# KiCad board JumperlessRev1.kicad_pcb (continued)
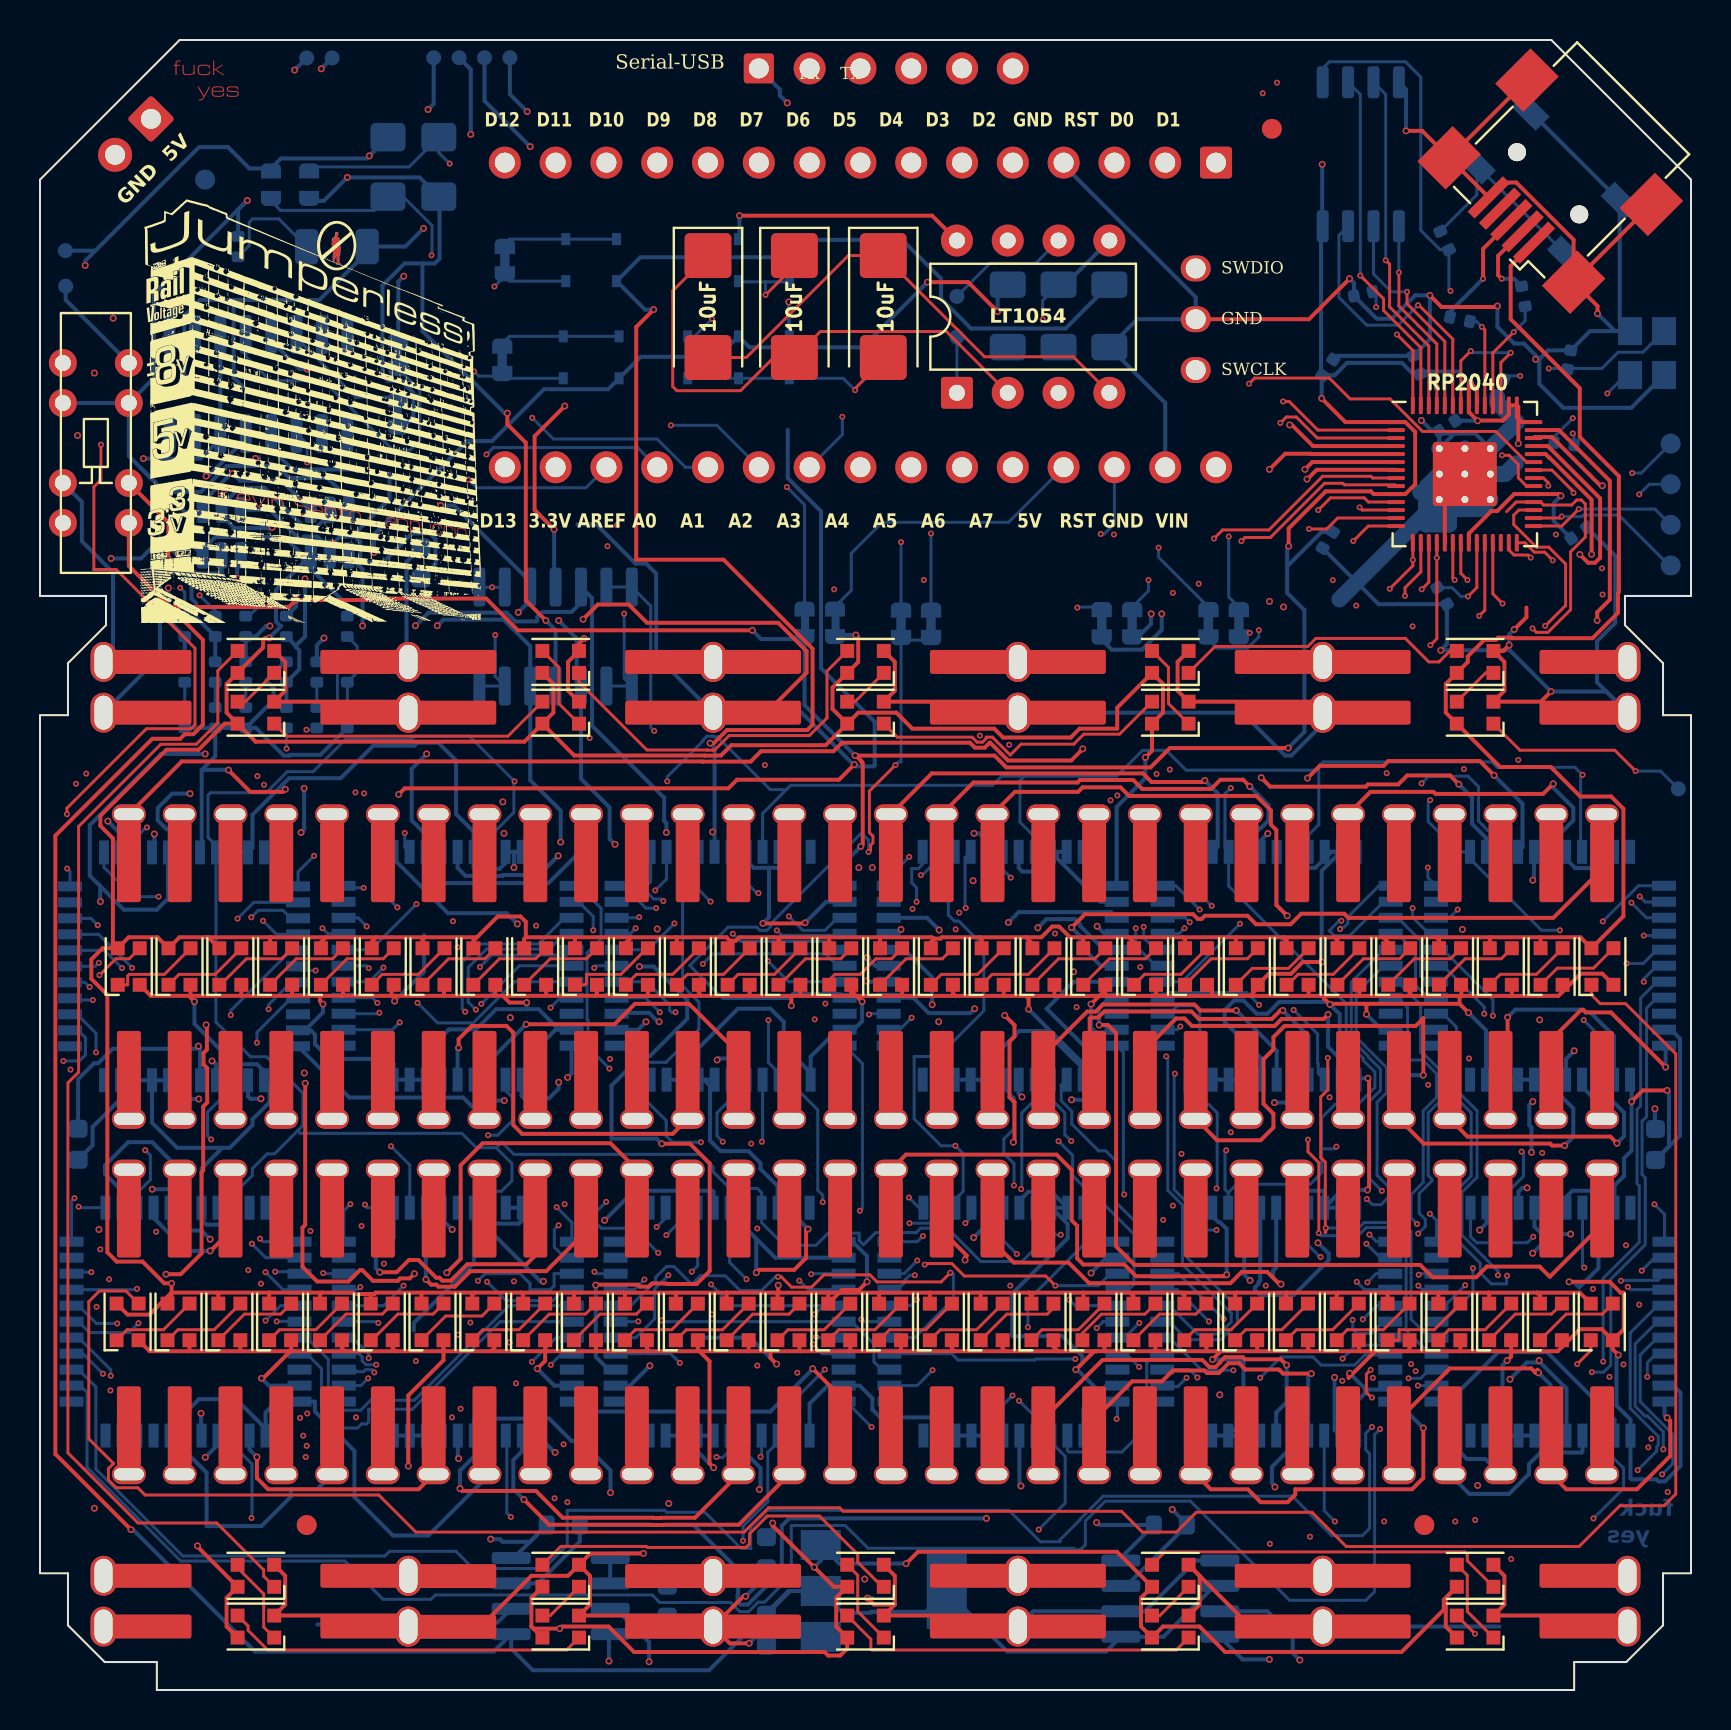
[diagram p0: board, top side]
## Routing (per net, layer and track width the routed paths; a pad name or vN(x,y) marks a point on that pad's centre or on a via; arc(x,y) is an arc through that point) (continued)
/GH1: length 10.5
  In2.Cu w0.15: v1(68.89,15.23) 68.26,15.23 67.69,15.8 67.69,20.96 v1(66.32,22.33)
  Bottom w0.15: 67.02,21.63 v1(66.32,22.33) ; H1.24 v1(68.89,15.23)
/QSPI_SCLK: length 10.9
  Top w0.15: U9.52 70.24,67.46 68.35,69.35 v1(68.35,69.95)
  Bottom w0.15: v1(68.35,69.95) 67.56,69.95 66.67,70.84 U8.6
/QSPI_SD0: length 9.8
  Top w0.15: v1(67.95,70.92) 67.95,69.24 69.84,67.34 v1(69.84,65.15) U9.53
  Bottom w0.15: U8.5 v1(67.95,70.92)
/QSPI_SD1: length 17.7
  Top w0.15: U9.55 69.04,67.15 67.18,69.02 67.18,69.6 v1(66.01,70.76)
  Bottom w0.15: U8.2 66.01,79.83 v1(66.01,70.76)
/QSPI_SD2: length 17.3
  Top w0.15: v1(67.28,71.53) 67.48,71.33 67.48,69.2 69.44,67.24 U9.54
  Bottom w0.15: U8.3 67.28,79.83 v1(67.28,71.53)
/QSPI_SD3: length 14.4
  Top w0.15: 70.64,64.28 70.64,67.59 68.95,69.28 v1(68.9,69.28)
  Bottom w0.15: v1(68.9,69.28) 67.9,68.28 66.34,68.28 64.95,69.67 64.95,72.78 U8.7
/QSPI_SS: length 24.4
  Top w0.15: 68.64,64.27 68.64,66.61 68.66,66.62 68.66,67.01 v1(67.84,67.82)
  In1.Cu w0.15: v1(70.53,70) 70.53,69.94 68.4,67.82 v1(67.84,67.82)
  Bottom w0.15: v1(70.53,70) 70.45,70.08 R5.1 70.01,72.05 69.04,73.02 69.04,80.7 68.27,81.46 64.47,81.46 64.14,81.13
/SWCLK: length 30.8
  Top w0.15: U9.24 72.24,54.02 v1(71.96,53.74)
  In1.Cu w0.15: v1(56.64,54.89) 62.89,54.89 64.2,53.57 71.79,53.57 v1(71.96,53.74)
  In2.Cu w0.15: v1(56.64,54.89) 57.43,55.68 57.43,65.68
/SWD: length 36.2
  Top w0.15: 72.64,57.4 72.64,54.84 v1(73.13,54.36)
  In1.Cu w0.15: v1(57.94,55.35) 62.78,55.35 64.31,53.82 71.09,53.82 71.63,54.36 v1(73.13,54.36)
  In2.Cu w0.15: J1.3 59,69.9 59,65.56 57.68,64.23 57.68,55.61 v1(57.94,55.35)
/USB_D+: length 6.1
  Top w0.2: J5.3 73.57,73.52 72.15,72.1 v1(72.15,70.6)
  Bottom w0.2: R2.1 70.5,68.94 v1(72.15,70.6)
/USB_D-: length 4.1
  Top w0.2: J5.2 72.9,71.75 72.9,70.79 v1(73.09,70.6)
  Bottom w0.2: R3.1 73.7,70.6 v1(73.09,70.6)
/XIN: length 27.1
  Top w0.15: v1(70.73,55.53) 70.64,55.62 70.64,57.4
  In1.Cu w0.15: v1(78.13,54.81) 77.71,54.81 77.45,55.07 71.19,55.07 v1(70.73,55.53) ; v1(78.37,64.86) 77.75,65.48 74.27,65.48 v1(74.01,65.74)
  In2.Cu w0.15: v1(78.37,64.86) 79.19,64.04 79.19,55.87 v1(78.13,54.81)
  Bottom w0.15: 79.29,65.79 v1(78.37,64.86) ; 73.33,65.74 v1(74.01,65.74)
/XOUT: length 19.4
  Top w0.15: U9.21 71.04,55.86 v1(71.37,55.53)
  In1.Cu w0.15: v1(71.37,55.53) 71.48,55.42 77.4,55.42 v1(78.1,56.12)
  In2.Cu w0.15: v1(76.64,63.63) 78.94,61.32 78.94,56.96 v1(78.1,56.12)
  Bottom w0.15: 75.76,62.42 75.76,62.75 v1(76.64,63.63)
/~{USB_BOOT}: length 10.3
  Bottom w0.15: R5.2 71.84,74.81 SW1.2 SW1.2
A0: length 78.5
  In1.Cu w0.15: v1(20.65,38.46) 20.86,38.68 23.97,38.68 23.98,38.67 v1(29.96,38.67) 30.03,38.74 36.9,38.74 37.09,38.93 37.13,38.93 37.35,39.15 43.55,39.15 v1(43.63,39.08)
  In2.Cu w0.15: v1(43.87,21.49) 42.97,22.38 42.97,25.09 43.62,25.73 43.62,32.2 42.88,32.94 42.88,33.69 43.61,34.42 43.61,34.7 44.1,35.19 44.1,37.51 44,37.61 44,38.71 v1(43.63,39.08) ; v1(20.65,38.46) 20.9,38.71 20.9,59.09 21.74,59.93 21.74,61.23 v1(22.32,61.81)
  Bottom w0.15: A1.19 29.88,62.16 22.67,62.16 v1(22.32,61.81) ; I1.31 29.93,38.63 v1(29.96,38.67) ; K1.31 43.21,20.83 v1(43.87,21.49)
A1: length 78.4
  In1.Cu w0.15: v1(23.7,20.45) 24.21,20.95 25.73,20.95 26.25,20.43 27.47,20.43 27.64,20.61 27.93,20.61 28.1,20.43 30.12,20.43 v1(30.22,20.54) 30.52,20.24 32.46,20.24 33.6,21.39 43.1,21.39 v1(43.74,20.75)
  In2.Cu w0.15: v1(23.7,20.45) 23.6,20.55 23.6,28.87 23.91,29.19 23.91,37.24 23.22,37.94 23.22,41.08 23.35,41.21 23.35,41.36 23.42,41.44 23.42,41.78 23.55,41.9 23.55,43.01 23.69,43.15 23.69,44.12 24.61,45.04 v1(24.61,63.65)
  Bottom w0.15: 42.87,20.03 43.25,20.41 43.25,20.52 43.48,20.75 v1(43.74,20.75) ; A1.20 32.27,61.17 30.86,62.59 25.67,62.59 v1(24.61,63.65) ; v1(30.22,20.54) 29.71,20.03 J6.30
A2: length 70.3
  In1.Cu w0.15: v1(31.72,38.35) 35.7,38.35 35.79,38.26 35.79,38.21 36,38 36.05,38 36.62,37.43 45.16,37.43 v1(45.78,38.06)
  In2.Cu w0.15: v1(31.55,63.27) 31.84,62.98 31.84,44.64 31.31,44.12 31.31,43.51 32.06,42.76 32.06,38.69 v1(31.72,38.35) ; v1(45.78,38.06) 45.74,38.01 45.74,35.61 45.86,35.49 45.86,34.27 46,34.14 46,29.03 46.16,28.88 46.16,28.15 46.13,28.12 46.13,26.36 46.16,26.34 46.16,25.73 45.64,25.22 45.64,21.67 43.84,19.86 v1(43.84,19.53)
  Bottom w0.15: v1(43.84,19.53) 43.54,19.23 K1.29 ; I1.29 30.4,37.03 v1(31.72,38.35) ; A1.21 33.84,63.27 v1(31.55,63.27)
A3: length 63.8
  In1.Cu w0.15: v1(29.91,18.44) 30.24,18.11 40.64,18.11 v1(41.07,18.54)
  In2.Cu w0.15: v1(41.07,18.54) 40.44,19.17 40.44,25.09 41.08,25.73 41.08,28.99 40.54,29.53 40.54,42.98 41.08,43.51 41.08,44.12 40.08,45.12 40.08,55.22 40.05,55.26 40.05,63.63 v1(40.12,63.7)
  Bottom w0.15: J6.28 29.9,18.43 v1(29.91,18.44) ; K1.28 41.18,18.43 v1(41.07,18.54) ; v1(40.12,63.7) 40.12,62.81 A1.22
A4: length 43.4
  In1.Cu w0.15: v1(41.45,33.8) 41.36,33.89 37.42,33.89 36.83,34.48 32.69,34.48 32.58,34.38 31.84,34.38 31.78,34.32 v1(31.78,33.91)
  In2.Cu w0.15: A1.23 41.02,60.04 41.47,59.59 41.47,42.91 42.22,42.16 42.22,34.56 v1(41.45,33.8)
  Bottom w0.15: L1.25 41.49,33.83 v1(41.45,33.8) ; v1(31.78,33.91) 31.57,33.91 31.48,34 31.48,34.28 30.33,35.43 I1.27
A5: length 62.9
  In1.Cu w0.15: v1(38.73,33.55) 38.93,33.36 43.31,33.36 v1(43.58,33.64) ; v1(31.99,16.37) 35.22,16.37 35.69,15.9 35.74,15.9 35.76,15.87 v1(37.86,15.87)
  In2.Cu w0.15: v1(37.86,15.87) 39.57,17.58 39.57,25.16 38.98,25.76 38.98,26.31 39.06,26.4 39.06,28.21 38.98,28.3 38.98,28.85 39.06,28.94 39.06,33.23 v1(38.73,33.55) ; v1(43.58,33.64) 43.58,33.97 43.91,34.3 43.91,34.58 44.4,35.07 44.4,37.6 44.26,37.73 44.26,38.31 44.4,38.45 44.4,42.68 43.71,43.37 43.71,61.02
  Bottom w0.15: v1(31.99,16.37) 31.53,16.83 J6.26 ; L1.24 42.98,33.03 v1(43.58,33.64)
A6: length 34
  In1.Cu w0.15: v1(45.96,38.89) 45.8,38.73 38.52,38.73 38.39,38.86 37.6,38.86 v1(37.44,38.7)
  In2.Cu w0.15: v1(45.96,38.89) 45.9,38.95 45.9,43.26 46.16,43.51 46.16,61.11
  Bottom w0.15: v1(37.44,38.7) 38.14,38.01 39.25,38.01 39.88,38.63
A7: length 56.2
  In1.Cu w0.15: v1(37.97,20.48) 40.65,20.48 41.15,19.98 43.58,19.98 43.61,19.95 44.2,19.95 44.25,19.9 47.98,19.9 48.05,19.98 48.26,19.98 v1(48.51,20.23)
  In2.Cu w0.15: v1(48.51,20.23) 48.11,20.64 48.11,25.14 48.7,25.73 48.7,26.34 48.11,26.93 48.11,27.68 48.7,28.27 48.7,34.74 48.78,34.82 48.78,40.36 48.91,40.49 48.91,40.8 48.7,41.01 48.7,44.12 48.28,44.54 47.99,44.54 47.84,44.68 47.84,60.37 A1.26
  Bottom w0.15: v1(37.97,20.48) 38.42,20.03 J6.4
ADC_BUFFERED_5V_0: length 83
  Top w0.2: U9.38 75.28,61.83 75.48,61.63 75.5,61.63 77.58,59.55 v2(77.58,56.82)
  In1.Cu w0.2: v2(6.42,55.13) 7.36,56.07 14.13,56.07 14.27,55.93 66.23,55.93 66.61,55.56 70.06,55.56 70.43,55.93 73.78,55.93 73.94,55.77 76.52,55.77 v2(77.58,56.82)
  Bottom w0.2: v2(6.42,55.13) 6.42,53.53 R6.2 R7.1
ADC_BUFFERED_5V_1: length 86
  Top w0.2: v2(76.99,56.81) 77.4,56.4 77.76,56.4 78,56.65 78,59.62 75.39,62.23 U9.39
  In1.Cu w0.2: v2(6.42,55.91) 6.93,56.42 66.24,56.42 66.75,55.91 69.85,55.91 70.23,56.29 73.91,56.29 74.08,56.12 76.3,56.12 v2(76.99,56.81)
  Bottom w0.2: R9.1 R8.2 7.81,53.66 7.81,54.37 7.58,54.6 7.58,55.47 7.14,55.91 v2(6.42,55.91)
ADC_BUFFERED_5V_2: length 84.6
  Top w0.2: U9.40 74.73,62.68 75.59,62.68 78.03,60.25 v2(78.12,60.25)
  In1.Cu w0.2: v2(78.12,60.25) 77.12,61.25 74.16,61.25 72.74,62.66 69.7,62.66 69.27,62.23 11.39,62.23 v2(10.78,61.61)
  In2.Cu w0.2: v2(10.78,61.61) 10.78,53.95 v2(11.5,53.23)
  Bottom w0.2: R11.1 R10.2 10.78,52.71 11.31,53.23 v2(11.5,53.23)
ADC_BUFFERED_+-8V_3: length 86.1
  Top w0.2: U9.41 75.95,63.03 78.49,60.49 78.49,54.55 77.86,53.92 v2(77.86,53.51)
  In1.Cu w0.2: v2(13.25,55.59) 14.12,55.59 14.13,55.58 39.92,55.58 40.51,54.99 52.2,54.99 54.7,52.49 60.96,52.49 61.12,52.65 73.59,52.65 73.62,52.61 76.96,52.61 v2(77.86,53.51)
  Bottom w0.2: R17.2 R19.1 12.96,51.06 12.96,52.02 12.78,52.2 12.78,52.24 ; v2(13.25,55.59) 13.25,52.71 12.78,52.24 ; 12.78,52.24 R14.2
ADC_UNBUFFERED_5V_0: length 82.3
  In1.Cu w0.2: v2(23.14,44.43) 23.4,44.17 23.4,43.06 v2(23.2,42.86) ; v2(44.61,34.29) 44.61,33.96 43.69,33.04 36.33,33.04 36.01,33.36 35.94,33.36 35.13,34.16 32.83,34.16 31.68,33.01 31.68,33.01 31.64,32.98 30.8,32.98 30.34,33.43 v2(30.3,33.43) 30,33.73 23.61,33.73 v2(23.51,33.64)
  In2.Cu w0.2: v2(23.51,33.64) 23.51,36.72 22.16,38.08 22.16,38.81 22.29,38.94 22.29,39.01 22.31,39.04 22.31,39.14 22.87,39.7 22.87,42.53 v2(23.2,42.86) ; v2(23.14,44.43) 23.32,44.61 23.32,45.25 23.38,45.3 23.38,53.38 v2(23.91,53.91) ; v2(24.36,78.97) 22.19,76.8 22.19,70.18 22.46,69.91 22.46,62.51 20.64,60.69 20.64,60.44 20.03,59.84 v2(20.03,59.26)
  Bottom w0.2: L1.29 43.23,37.03 44.61,35.66 v2(44.61,34.29) ; v2(24.36,78.97) 23.5,79.83 TP9.1 ; 24.51,54.51 v2(23.91,53.91) ; I1.24 29.9,33.03 v2(30.3,33.43) ; v2(20.03,59.26) 20.7,59.26 24.51,55.45
ADC_UNBUFFERED_5V_1: length 91.9
  In1.Cu w0.2: v2(41.62,41.15) 41.62,41.15 41.62,41.36 41.48,41.5 41.19,41.5 40.91,41.78 29.28,41.78 v2(28.75,42.31)
  In2.Cu w0.2: v2(24.51,77.22) 24.51,70.92 26.83,68.6 26.83,54.41 v2(25.93,53.51) ; v2(28.75,42.31) 29.24,41.83 29.24,36.63 29.2,36.59 29.2,29.32 29.18,29.32 28.75,28.89 28.75,28.26 29.24,27.77 29.24,27.18 28.75,26.69 28.75,17.97 v2(30.49,16.22) ; v2(41.62,41.15) 41.4,40.93 41.4,36.69 v2(41.36,36.65)
  Bottom w0.2: v2(25.93,53.51) 26.83,52.61 26.83,50.45 U7.10 27.05,45.59 28.48,44.16 28.48,42.58 v2(28.75,42.31) ; v2(30.49,16.22) 29.5,15.23 J6.24 ; v2(41.36,36.65) 41.77,36.23 L1.28 ; v2(24.51,77.22) 22.23,79.5 TP10.1
ADC_UNBUFFERED_5V_2: length 97.3
  In1.Cu w0.2: v2(40.94,41.15) 40.89,41.09 27.36,41.09 v2(26.04,42.42) ; v2(41.32,35.47) 51.22,35.47 v2(51.68,35.94)
  In2.Cu w0.2: v2(52.55,20.86) 52.55,24.18 51.6,25.13 51.6,26.43 50.98,27.06 50.76,27.06 50.53,27.29 50.53,27.62 50.76,27.86 50.87,27.86 51.27,28.25 51.27,28.89 50.88,29.27 50.88,31.24 51.36,31.72 51.36,35.61 v2(51.68,35.94) ; v2(40.94,41.15) 40.95,41.14 40.95,35.85 v2(41.32,35.47) ; v2(21.54,77.83) 21.54,66.7 22.11,66.13 22.11,65.8 22.07,65.77 22.07,62.74 20.29,60.95 20.29,60.59 19.61,59.91 19.61,53.5 v2(19.86,53.25)
  Bottom w0.2: L1.27 41.36,35.43 v2(41.32,35.47) ; v2(21.54,77.83) 21.54,81.08 TP11.1 ; v2(19.86,53.25) 20.17,53.55 23.18,53.55 23.59,53.14 23.59,53.14 24.51,52.22 U7.12 24.51,45.52 26.04,43.99 v2(26.04,42.42) ; v2(52.55,20.86) 53.32,21.63 K1.2
ADC_UNBUFFERED_+-8V_3: length 80.7
  In1.Cu w0.2: v2(46.65,40.49) 44.52,42.63 41.83,42.63 40.72,42.63 40.6,42.5 31.72,42.5 v2(31.32,42.9)
  In2.Cu w0.2: v2(46.73,34.08) 46.73,34.19 46.19,34.73 46.19,35.62 46.06,35.75 46.06,37.71 46.19,37.84 46.19,38.5 46.7,39 46.7,40.45 v2(46.65,40.49) ; v2(18.77,53.25) 18.77,60.57 19.53,61.32 19.53,61.37 19.98,61.82 19.98,78.5 v2(19.41,79.07)
  Bottom w0.2: v2(19.41,79.07) 19.69,79.35 TP12.1 ; v2(31.32,42.9) 31.32,43.36 31.21,43.47 31.21,44.63 27.6,48.24 27.6,54.63 U7.5 ; v2(46.73,34.08) 46.51,33.87 44.43,33.87 43.67,34.63 L1.26 ; v2(18.77,53.25) 19.43,53.9 23.33,53.9 23.49,53.74 23.49,53.74 23.77,53.46 24.82,53.46 24.87,53.51 24.87,53.69 25.11,53.93 26.58,53.93 27.05,54.41
AI: length 32.3
  In1.Cu w0.15: v1(30.81,39.12) 20.65,39.12 20.24,38.71 20.17,38.71 19.94,38.49 17.93,38.49 17.4,39.02 3.65,39.02 v1(2.89,38.26)
  Bottom w0.15: A2.31 2.54,38.61 v1(2.89,38.26) ; v1(30.81,39.12) 30.3,39.12 29.18,40.23
AJ: length 49.8
  In1.Cu w0.15: v1(3.02,22.05) 3.49,21.57 8.67,21.57 8.91,21.8 8.91,21.82 8.96,21.87 v1(30.91,21.87)
  In2.Cu w0.15: v1(4.61,36.13) 4.14,35.66 4.14,31.44 3.12,30.42 3.12,25.56 3.91,24.76 3.91,22.94 v1(3.02,22.05)
  Bottom w0.15: v1(30.91,21.87) 30.35,22.43 J6.33 ; v1(4.61,36.13) 2.93,37.81 A2.30
AK: length 47
  In1.Cu w0.15: v1(44.15,22.71) 44.07,22.63 31.83,22.63 31.43,22.22 14.26,22.22 v1(13.52,22.97)
  In2.Cu w0.15: v1(13.78,36) 13.78,29.86 13.52,29.6 v1(13.52,22.97)
  Bottom w0.15: v1(13.78,36) 13.11,36 A2.6 ; v1(44.15,22.71) 43.87,22.43 K1.33
AL: length 45.5
  In1.Cu w0.15: v1(43.46,41.68) 42.52,40.75 36.89,40.75 36.81,40.66 16.28,40.66 16.26,40.64 1.82,40.64 v1(1.36,41.1)
  Bottom w0.15: L1.33 42.43,40.66 v1(43.46,41.68) ; A2.33 1.5,40.95 v1(1.36,41.1)
AREF: length 75.9
  In1.Cu w0.15: v1(18.8,16.46) 19.13,16.8 23.38,16.8 24.18,17.59 38.35,17.59 v1(38.64,17.3)
  In2.Cu w0.15: v1(18.8,16.46) 18.61,16.65 18.61,20.28 18.55,20.34 18.55,20.35 18.33,20.57 18.32,20.57 18.21,20.68 18.21,25.34 18.61,25.73 18.61,28.88 19.23,29.49 19.23,42.9 18.61,43.51 18.61,44.12 20.65,46.16 20.65,59.79 v1(21.41,60.56)
  Bottom w0.15: J6.8 39.11,16.83 v1(38.64,17.3) ; A1.18 27.29,60.15 21.82,60.15 v1(21.41,60.56)
BI: length 19
  In1.Cu w0.15: v1(30.76,40) 19.51,40 v1(18.82,39.32)
  Bottom w0.15: I1.35 31.33,40.57 v1(30.76,40) ; v1(18.82,39.32) 16.54,37.03 B1.29
BJ: length 30.9
  In1.Cu w0.15: v1(30.84,23.16) 30.31,22.64 16.66,22.64 v1(16.08,23.22)
  In2.Cu w0.15: v1(16.08,23.22) 16.94,24.08 16.94,24.86 16.07,25.73 16.07,35.74 v1(16.44,36.11)
  Bottom w0.15: 31.28,23.61 v1(30.84,23.16) ; v1(16.44,36.11) 16.32,36.23 B1.28
BK: length 31.1
  In1.Cu w0.15: v1(43.47,23.36) 40.88,23.36 40.34,23.9 26.64,23.9 v1(26.23,24.31)
  In2.Cu w0.15: v1(25.53,34.14) 26.82,32.84 26.82,29.47 26.23,28.88 v1(26.23,24.31)
  Bottom w0.15: v1(25.53,34.14) 26.02,34.63 B1.8 ; 44.97,23.61 44.72,23.36 v1(43.47,23.36)
BL: length 30.3
  In1.Cu w0.15: v1(16.18,40.13) 16.41,40.36 36.93,40.36 37.02,40.45 43.72,40.45 v1(44.04,40.77)
  Bottom w0.15: v1(44.04,40.77) 44.12,40.77 44.93,41.58 ; v1(16.18,40.13) 15.28,40.13
BOTTOM_RAIL: length 137.5
  Top w0.2: v2(8.31,33.27) 8.34,33.24 8.34,32.04 8.18,31.87 8.18,31.29 8.36,31.11 8.36,29.39 8.16,29.19 8.16,25.99 8.08,25.91 8.08,21.84 7.04,20.8 v2(6.3,20.8) ; v2(6.42,56.57) 6.42,58.41 SW2.7
  In1.Cu w0.2: 18.43,5.7 J4.63 34.21,5.15 35.22,5.15 35.22,5.15 41.65,5.15 42.21,5.71 J4.63 ; J4.63 J4.63 ; J4.63 79,6.09 64.51,6.09 J4.63 ; 63.66,6.19 49.37,6.19
  In2.Cu w0.2: v2(6.42,56.57) 5.56,55.7 5.56,48.92 8.31,46.17 v2(8.31,33.27) ; J4.63 3.18,8.06 5.64,10.52 5.64,20.14 v2(6.3,20.8)
  Bottom w0.2: C22.2 33.17,5.22
CI: length 35
  In1.Cu w0.15: v1(60,38.34) 58.62,39.72 58.52,39.72 58.47,39.77 49.95,39.77 49.93,39.8 37.11,39.8 36.76,39.45 v1(33.53,39.45)
  Bottom w0.15: I1.37 32.93,40.05 v1(33.53,39.45) ; C26.27 57.1,35.44 v1(60,38.34)
CJ: length 53.2
  In1.Cu w0.15: v1(61.29,20.23) 60.78,19.72 52.13,19.72 51.03,20.82 49.64,20.82 49.55,20.91 48.14,20.91 47.73,20.5 44.5,20.5 43.87,21.13 43.71,21.13 43.21,21.64 33.29,21.64 v1(32.59,20.93)
  In2.Cu w0.15: v1(61.29,20.23) 61.28,20.24 61.28,25.61 61.42,25.75 61.42,29.03 60.91,29.54 60.91,34.23 v1(60.95,34.28)
  Bottom w0.15: v1(60.95,34.28) 60.34,34.89 56.39,34.89 C26.26 ; J6.37 32.88,21.22 v1(32.59,20.93)
CK: length 21.6
  In1.Cu w0.15: v1(56.16,23.52) 56.01,23.67 46.58,23.67 v1(46.27,23.36)
  In2.Cu w0.15: v1(57.02,33.2) 57.13,33.09 57.13,29.29 56.71,28.88 56.71,25.77 56.16,25.22 v1(56.16,23.52)
  Bottom w0.15: 46.57,23.66 v1(46.27,23.36) ; v1(57.02,33.2) 56.86,33.04 C26.24
CL: length 17.1
  In1.Cu w0.15: v1(46.28,39.13) 46.4,39.24 49.71,39.24 49.9,39.05 v1(57.98,39.05)
  Bottom w0.15: L1.37 46.25,41.65 46.25,39.16 v1(46.28,39.13) ; C26.33 56.79,40.24 v1(57.98,39.05)
CLK: length 237.6
  Top w0.15: v1(69.52,52.27) 69.84,52.6 U9.18
  In1.Cu w0.15: 43.38,24.36 42.27,24.36 41.81,24.81 28.63,24.81 ; 43.38,24.36 43.52,24.5 47.99,24.5 48.07,24.42 54.42,24.42 54.64,24.64 56.92,24.64 57.15,24.41 58.22,24.41 58.95,23.67 58.95,23.14 ; 43.38,24.36 43.44,24.42 v1(43.44,24.64) ; v1(5.93,39.69) 17.33,39.69 v1(17.87,39.15) 18.06,38.96 20.14,38.96 20.65,39.47 v1(31.17,39.47) 32.97,39.47 33.4,39.04 36.77,39.04 37.28,39.55 43.71,39.55 43.77,39.49 49.81,39.49 49.83,39.47 58.34,39.47 v1(58.59,39.23) 60.3,37.52 75.5,37.52 v1(75.99,38.01) ; 28.63,24.81 28.63,24.74 v1(28.31,24.42) ; 28.63,24.81 16.71,24.81 15.87,23.97 15.81,23.97 15.77,23.93 13.74,23.93 13.57,24.1 5.4,24.1 5.33,24.03 ; 5.33,24.03 2.08,24.03 v1(1.93,24.18) ; 5.33,24.03 5.81,23.56 v1(5.81,22.93) ; 58.95,23.14 v1(58.83,23.01) ; 58.95,23.14 59.63,23.82 59.8,23.82 59.85,23.87 65.05,23.87 65.5,23.41 67.04,23.41 67.98,22.47 74.27,22.47 74.47,22.68 v1(74.66,22.68)
  In2.Cu w0.15: v1(69.51,44.52) 70.15,45.17 70.15,45.59 69.52,46.23 v1(69.52,52.27) ; v1(5.81,22.93) 6.06,23.18 6.06,25.22 5.84,25.44 5.84,39.6 v1(5.93,39.69) ; v1(75.99,38.01) 75.99,29.52 76.64,28.88 76.64,25.22 76.64,25.22 76.64,24.65 v1(74.66,22.68)
  Bottom w0.15: v1(43.44,24.64) 43.95,24.13 K1.34 ; E1.34 1.98,24.13 v1(1.93,24.18) ; v1(5.93,39.69) 4.67,39.69 3.2,41.16 A2.34 ; v1(69.51,44.52) 69.41,44.42 69.41,43.44 70.92,41.94 D70.34 71.5,41.59 75.08,38.01 v1(75.99,38.01) ; C26.34 57.83,39.98 v1(58.59,39.23) ; B1.34 16.88,40.14 v1(17.87,39.15) ; G1.34 57.81,23.38 58.18,23.01 v1(58.83,23.01) ; I1.34 30.53,40.44 30.18,40.08 30.68,39.57 31.06,39.57 v1(31.17,39.47) ; v1(16.25,24.28) 16.25,24.24 16.36,24.13 F5.34 ; 30.48,23.78 29.8,23.1 28.06,23.1 27.83,23.34 27.83,23.95 v1(28.31,24.42) ; L1.34 44.13,41.31 43.91,41.09 43.91,41.09 43.9,41.1 43.59,41.1 43.59,40.39 43.83,40.14 v1(43.83,39.43) ; H1.34 71.52,22.68 71.83,22.38 74.36,22.38 v1(74.66,22.68)
  vias: v1(69.84,56.64)
CS_A: length 95.5
  Top w0.15: v1(58.7,57.61) 59.13,58.04 61.45,58.04 64.13,60.72 66.55,60.72 66.64,60.63 U9.8
  In1.Cu w0.15: v1(8.56,27.54) 9.33,26.78 17.63,26.78 17.64,26.76 17.8,26.76 18.01,26.55 18.82,26.55 19.03,26.76 20.34,26.76 20.55,26.55 21.36,26.55 21.57,26.76 22.88,26.76 23.09,26.55 23.9,26.55 24.11,26.76 25.42,26.76 25.63,26.55 26.44,26.55 26.65,26.76 27.96,26.76 28.17,26.55 28.98,26.55 29.19,26.76 30.5,26.76 30.71,26.55 31.52,26.55 31.73,26.76 48.38,26.76 48.39,26.75 49.51,26.75 49.51,26.76 50.82,26.76 50.82,26.75 51.77,26.75 51.84,26.82 v1(57.07,26.82)
  In2.Cu w0.15: v1(58.7,57.61) 58.94,57.37 58.94,28.24 57.51,26.82 v1(57.07,26.82)
  Bottom w0.15: v1(8.56,27.54) 8.38,27.73 8.38,28.91 9.6,30.13
CS_B: length 80
  Top w0.15: U9.9 67.74,60.29 65.22,60.29 65.14,60.37 64.23,60.37 61.52,57.66 60.25,57.66 v1(60.07,57.48)
  In1.Cu w0.15: v1(59.54,27.9) 59.46,27.83 22.48,27.83 v1(22.4,27.76)
  In2.Cu w0.15: v1(59.54,27.9) 59.18,28.26 59.18,56.59 v1(60.07,57.48)
  Bottom w0.15: v1(22.4,27.76) 22.89,27.76 23.62,28.48 23.62,29.65 23.28,29.99 B1.14
CS_C: length 35.7
  Top w0.15: U9.11 66.42,59.43 66.21,59.64 64.53,59.64 v1(63.91,59.03)
  In2.Cu w0.15: 63.81,55.6 63.81,58.93 v1(63.91,59.03) ; 63.81,55.6 63.81,52.7 61.79,50.68 61.79,43.44 62.09,43.14 62.09,42.56 61.82,42.29 61.82,34.88 v1(62.68,34.02) ; 63.81,55.6 64.57,55.6 v1(64.64,55.52)
  Bottom w0.15: v1(62.68,34.02) 63.88,32.82 63.88,31.36 63.91,31.33 63.91,30.86 C26.14
CS_D: length 40.4
  Top w0.15: v1(65.98,59.17) 66.11,59.03 U9.12
  In1.Cu w0.15: v1(65.98,59.17) 67.33,57.81 v1(75.79,57.81)
  In2.Cu w0.15: v1(77.18,33.52) 76.64,34.06 76.64,44.12 76.31,44.44 76.31,57.29 v1(75.79,57.81)
  Bottom w0.15: v1(77.18,33.52) 77.9,32.8 D70.14
CS_E: length 112.9
  Top w0.15: U9.13 64.88,58.63 64.34,58.09 v1(63.45,58.09)
  In1.Cu w0.15: v1(61.49,7.32) 36.3,7.32 35.69,7.92 23.62,7.92 22.95,8.6 v1(10.58,8.6)
  In2.Cu w0.15: v1(63.45,58.09) 63.45,52.69 61.52,50.76 61.52,43.29 61.79,43.02 61.79,42.68 61.56,42.45 61.56,33.84 62.31,33.09 62.31,29.39 61.72,28.8 61.72,21.17 61.58,21.03 61.58,20.38 61.66,20.3 61.66,10.76 61.11,10.21 61.11,7.7 v1(61.49,7.32)
  Bottom w0.15: 9.68,12.23 10.6,11.31 10.6,8.63 v1(10.58,8.6)
CS_F: length 99.4
  Top w0.15: v1(65.66,57.48) 66.41,58.23 U9.14
  In1.Cu w0.15: v1(63.5,7.67) 50.29,7.67 50.22,7.6 36.36,7.6 35.79,8.17 24.03,8.17 v1(23.54,8.66)
  In2.Cu w0.15: 65.66,54.33 65.66,45.78 64.3,44.41 64.3,38.58 64.46,38.42 64.46,34.82 63.75,34.12 63.75,33.72 63.76,33.71 63.76,29.75 64.29,29.22 64.29,24.12 63.27,23.1 63.27,19.58 63.98,18.87 63.98,17.68 63.82,17.52 63.82,16.24 63.98,16.07 63.98,11.76 64.29,11.45 64.29,9.65 63.5,8.85 v1(63.5,7.67) ; 65.66,54.33 v1(65.66,57.48) ; 65.66,54.33 65.74,54.33 v1(65.81,54.25)
  Bottom w0.15: v1(23.54,8.66) 23.34,8.86 23.34,12.68
CS_G: length 58.9
  Top w0.15: 68.64,57.4 68.64,56.25 v1(67.49,55.09)
  In1.Cu w0.15: v1(64.74,8.43) v1(67.21,8.43)
  In2.Cu w0.15: v1(67.49,55.09) 66.84,54.44 66.84,37.23 67.3,36.76 67.3,29.31 66.84,28.84 66.84,25.77 67.44,25.17 67.44,24.31 65.96,22.83 65.96,21.77 67.44,20.29 67.44,11.66 66.87,11.1 66.87,8.77 v1(67.21,8.43)
  Bottom w0.15: G1.14 64.21,8.97 v1(64.74,8.43)
  vias: v1(68.64,56.54)
CS_H: length 64.1
  Top w0.15: U9.16 69.04,55.94 68.25,55.14 v1(68.25,54.74)
  In1.Cu w0.15: v1(70.76,8.43) 71.34,9.01 77.25,9.01 v1(77.67,8.59)
  In2.Cu w0.15: v1(70.76,8.43) 69.41,9.79 69.41,11.14 70.48,12.21 70.48,20.93 70.27,21.13 70.27,24.38 69.02,25.63 69.02,29.51 68.66,29.87 68.66,30.89 69.01,31.24 69.01,41.33 69.41,41.73 69.41,44.12 68.63,44.89 v1(68.63,53.21) 68.63,54.36 v1(68.25,54.74)
  Bottom w0.15: v1(77.67,8.59) 79.18,10.09 79.18,11.1 77.92,12.35
CS_I: length 71.7
  Top w0.15: U9.31 73.94,59.03 73.69,58.78 73.69,58.31 74.82,57.18 75.44,57.18 76.28,56.34 76.28,54.26 v1(75.26,53.24)
  In1.Cu w0.15: v1(36.24,46.28) 37.11,47.14 47.12,47.14 47.37,46.89 51.43,46.89 52.26,47.72 62.64,47.72 62.94,47.42 64.25,47.42 64.55,47.72 72.73,47.72 v1(73.91,46.53)
  In2.Cu w0.15: v1(36.24,46.28) 36.19,46.22 36.19,43.71 35.41,42.92 35.41,34.52 v1(36.42,33.51) ; v1(75.26,53.24) 74.06,52.03 74.06,46.67 v1(73.91,46.53)
  Bottom w0.15: I1.14 36.93,30.88 36.42,31.39 v1(36.42,33.51)
CS_J: length 109
  Top w0.15: 73.33,58.95 73.81,59.43 U9.32 75.04,59.43 75.18,59.28 76.58,59.28 76.84,59.54 77.06,59.54 77.27,59.33 77.27,57.68 76.53,56.95 76.53,54.05 75.39,52.91 74.82,52.91 v1(74.63,53.11)
  In1.Cu w0.15: v1(73.56,6.55) 73.17,6.94 36.29,6.94 35.76,7.47 v1(35.15,7.47)
  In2.Cu w0.15: 73.33,56.06 74.63,54.76 v1(74.63,53.11) 73.81,52.29 73.81,52.13 73.55,51.87 73.55,45.7 74.1,45.15 74.1,43.51 73.94,43.36 73.94,29.03 74.1,28.88 74.1,28.27 73.48,27.66 73.48,26.95 74.1,26.34 74.1,25.44 73.56,24.9 73.56,21.84 74.21,21.19 74.21,7.2 v1(73.56,6.55)
  Bottom w0.15: v1(35.15,7.47) 35.15,8.19 36.39,9.43 36.39,11.89 36.88,12.38
CS_K: length 84.9
  Top w0.15: v1(73.1,61.77) 73.46,61.77 73.91,61.31 73.91,60.64 74.32,60.23 U9.34
  In1.Cu w0.15: v1(49.94,8.03) 49.96,8 52.64,8 52.66,7.98 52.99,7.98 53.09,8.08 71.32,8.08 v1(71.75,8.51)
  In2.Cu w0.15: v1(71.75,8.51) 71.48,8.78 71.48,10.45 71.6,10.57 71.6,14.15 72.36,14.91 72.36,24.53 71.85,25.04 71.85,38.76 71.93,38.83 71.93,52.04 73.6,53.71 73.6,55.43 72.87,56.16 72.87,59.17 73.1,59.4 v1(73.1,61.77)
  Bottom w0.15: v1(49.94,8.03) 51.26,9.35 51.26,11.69 50.57,12.38
CS_L: length 63.6
  Top w0.15: v1(75.41,60.25) 75.41,60.4 75.18,60.63 U9.35
  In1.Cu w0.15: v1(75.11,26.87) 75.11,27.38 74.93,27.56 64.67,27.56 64.54,27.43 64.47,27.43 64.06,27.03 62.18,27.03 61.77,27.43 51.6,27.43 v1(51.56,27.47)
  In2.Cu w0.15: v1(75.11,26.87) 74.98,27 74.98,27.48 74.46,28 74.46,29.05 74.24,29.27 74.24,40.68 74.54,40.98 74.54,52.06 75.72,53.24 75.72,54.03 75.31,54.44 75.31,60.14 v1(75.41,60.25)
  Bottom w0.15: v1(51.56,27.47) 51.24,27.79 51.24,28.88 50.53,29.58 L1.14
CURR_SENSE+: length 59.4
  In1.Cu w0.2: v2(41.23,5.55) 38.57,5.55 37.59,6.53 35.56,6.53 34.49,7.59 22.58,7.59 v2(22.53,7.55)
  In2.Cu w0.2: v2(43.05,38.05) 42.94,37.94 42.94,34.79 41.43,33.28 41.43,25.74 42.18,24.99 42.18,12.64 41.14,11.6 41.14,5.64 v2(41.23,5.55)
  Bottom w0.2: 42.83,37.83 v2(43.05,38.05) ; v2(22.53,7.55) 22.99,7.55 23.13,7.42 24.5,7.42 R1.1 23.69,6.6
CURR_SENSE-: length 70.1
  Top w0.2: v2(48.24,33.75) 48.72,33.26 48.72,32.69 48.47,32.44 48.47,29.66 48.72,29.41 48.72,29.41 48.72,27.47 v2(48.67,27.41)
  In1.Cu w0.2: v2(48.24,33.75) 47.92,33.43 v2(44.93,33.43)
  In2.Cu w0.2: v2(44.96,38.02) 45.01,38.02 45.03,38 45.03,37.75 45.06,37.72 45.06,33.56 v2(44.93,33.43) ; v2(47.32,8.59) 47.32,9.08 48.72,10.48 48.72,13.77 48.02,14.48 48.02,19.04 48.91,19.93 48.91,20.26 48.86,20.31 48.86,20.37 48.66,20.58 48.6,20.58 48.44,20.74 48.44,23.62 49.48,24.66 49.48,25.21 49.24,25.44 49.23,25.44 49.03,25.65 49.03,27.05 v2(48.67,27.41)
  Bottom w0.2: L1.31 44.35,38.63 v2(44.96,38.02) ; U4.7 24.89,5.33 26.99,7.43 R1.2 32.67,8.25 34.91,6.02 34.91,4.8 34.88,4.78 34.88,4.42 35.02,4.27 35.4,4.27 36.5,5.38 36.75,5.38 37.09,5.72 37.09,8.21 37.46,8.59 v2(47.32,8.59)
CURR_SENSE_DAC+: length 146.6
  In1.Cu w0.2: v2(52.83,8.38) 52.78,8.43 49.77,8.43 49.27,7.93 36.5,7.93 35.92,8.5 24.27,8.5 23.67,9.09 v2(2.72,9.09)
  In2.Cu w0.2: v2(2.72,9.09) 2.72,18.08 4.09,19.46 4.09,20.75 3.76,21.08 3.42,21.08 2.62,21.88 2.62,22.21 3.02,22.61 3.12,22.61 3.37,22.86 3.37,24.48 2.8,25.05 2.8,30.62 3.7,31.53 3.7,37.08 4.1,37.47 4.1,41.46 2.6,42.95 2.6,43.91 5.01,46.32 5.01,57.07 6.61,58.67 6.61,60.16 v2(5.17,61.61) 5.39,61.83 5.39,73.71 v2(12.73,81.05)
  Bottom w0.2: v2(52.83,8.38) 52.95,8.25 R4.1 54.04,6.6 ; v2(5.17,61.61) 8.03,61.61 9.02,62.59 ; TP7.1 v2(12.73,81.05) ; U10.14 U10.3
CURR_SENSE_DAC-: length 93.4
  In1.Cu w0.2: v2(56.61,9.03) 53.22,9.03 53.15,9.1 48.43,9.1 48.14,9.4 42.3,9.4 42,9.1 35.45,9.1 35.43,9.12 31.65,9.12 v2(31.44,9.33)
  In2.Cu w0.2: v2(56.61,9.03) 55.16,9.03 53.81,10.38 53.81,11.11 53.42,11.49 53.42,18.09 54.61,19.28 54.61,25.26 54.14,25.72 54.14,36.92 v2(52.86,38.21) ; v2(31.44,9.33) 31.09,9.68 31.09,14.95 31.49,15.35 31.49,16.45 30.34,17.6 30.34,19.77 29.82,20.28 29.82,22.78 30.95,23.9 30.95,26.35 30.33,26.96 30.33,27.65 30.95,28.26 30.95,32.19 30.33,32.81 v2(30.96,33.44)